# Altium PCB CM5_Adapter.PcbDoc (part 2 of 3) (continued)
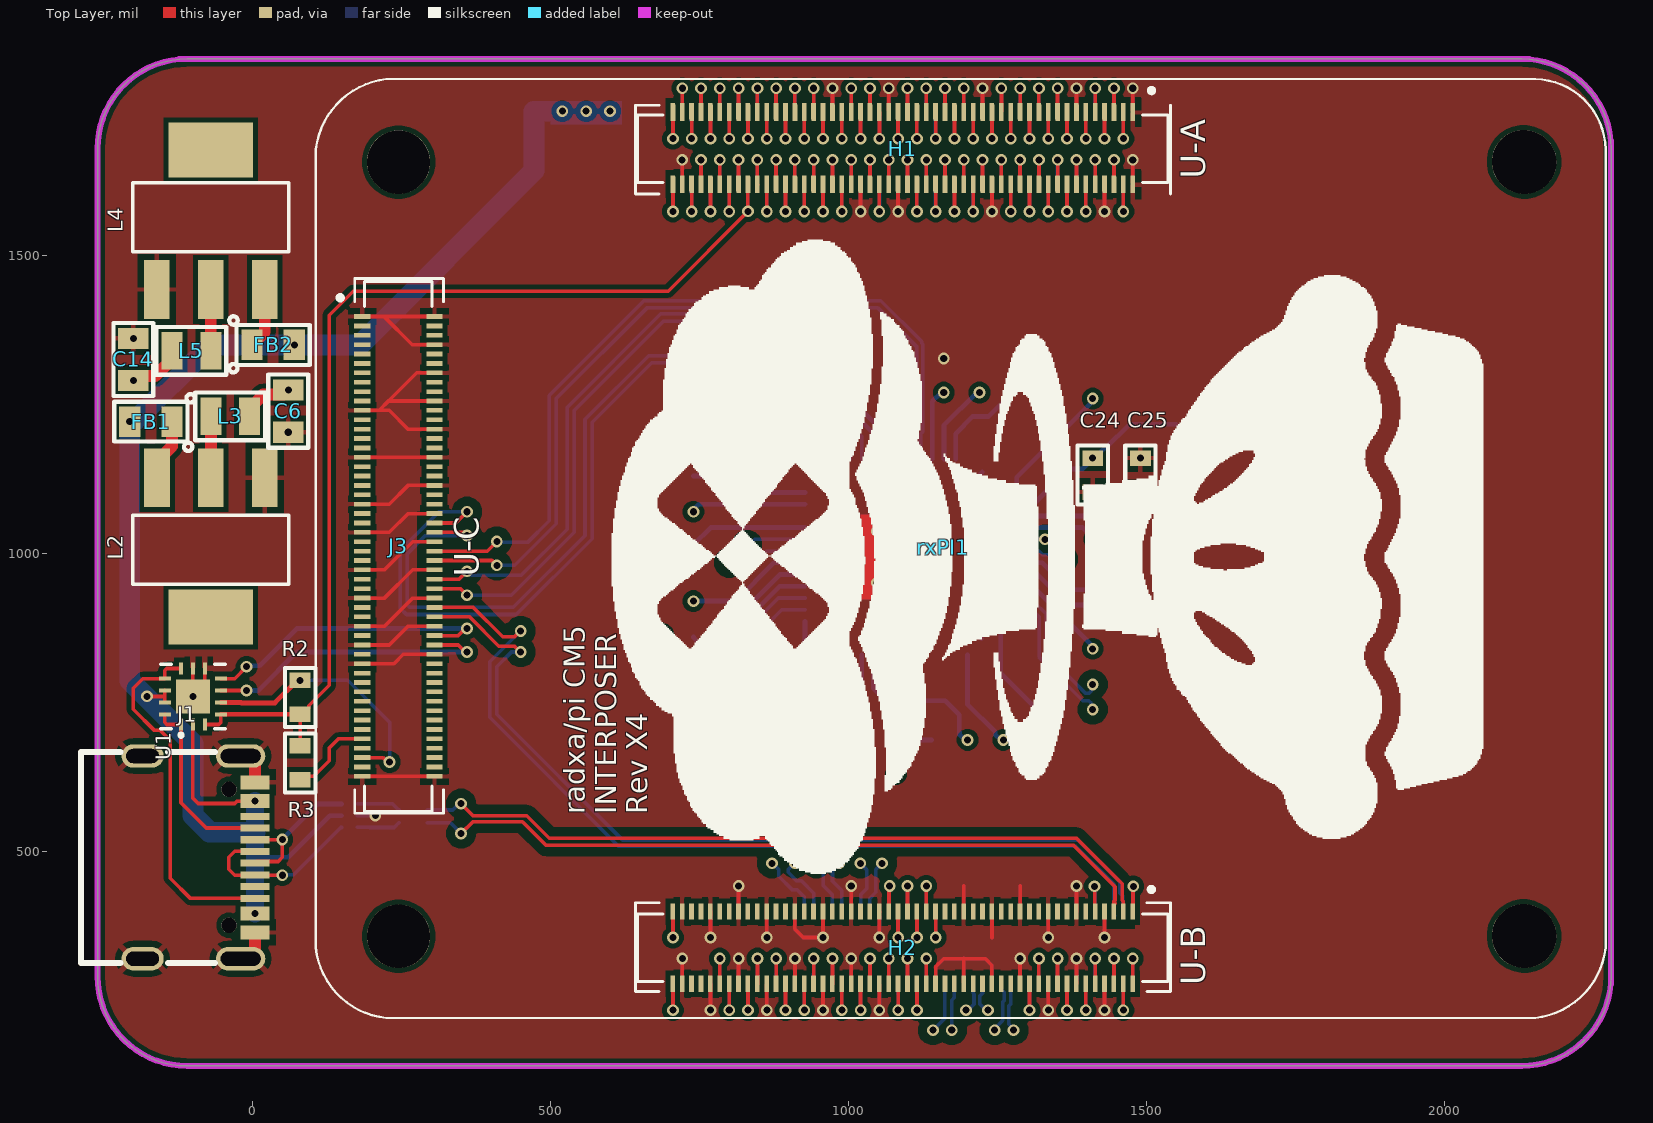
[diagram p0: Top Layer view]
## Nets (pads, with @x,y where several pads share a name; then routed paths per layer and width w, separated by ;. In a path a pad name is that pad's centre, name@x,y a point inside that pad or via, vN(x,y) a via of type N, cw(c..) or ccw(c..) an arc to the next point about the centre after c; other vN are vias at no path point) (continued)
NetH1_37: H1.37 HA.38 rPI1.37 rxPI1.37 | length 86.8
  Top Layer w6.3: rxPI1.37@1193.55,1742.17 1193.65,1742.26 1193.65,1780.62 v1(1193.74,1780.71)
  Bottom Layer w6.3: HA.38@1193.74,1732.53 v1(1193.74,1780.71)
NetH1_38: H1.38 HA.37 rPI1.38 rxPI1.38 | length 79.6
  Top Layer w6.3: rxPI1.38@1193.55,1620.91 1193.65,1621 1193.65,1660.54 v1(1193.74,1660.63)
  Bottom Layer w6.3: rPI1.38@1193.55,1620.91 1193.55,1660.44 v1(1193.74,1660.63)
NetH1_39: H1.39 HA.40 rPI1.39 rxPI1.39 | length 92.4
  Top Layer w6.3: rxPI1.39@1177.81,1742.17 1177.9,1742.07 1177.9,1696.16 v1(1177.99,1696.06)
  Bottom Layer w6.3: rPI1.39@1177.8,1742.17 1177.81,1696.25 v1(1177.99,1696.06)
NetH1_40: H1.40 HA.39 rPI1.40 rxPI1.40 | length 91.5
  Top Layer w6.3: v1(1177.99,1574.02) H1.40@1177.99,1618.55
  Bottom Layer w6.3: rPI1.40@1177.8,1620.91 1177.81,1574.2 v1(1177.99,1574.02)
NetH1_41: H1.41 HA.42 rPI1.41 rxPI1.41 | length 89.1
  Top Layer w6.3: H1.41@1162.24,1739.81 v1(1162.24,1780.71)
  Bottom Layer w6.3: HA.42@1162.24,1732.53 v1(1162.24,1780.71)
NetH1_44: H1.44 HA.43 rPI1.44 rxPI1.44 | length 93.9
  Top Layer w6.3: rxPI1.44@1146.31,1620.91 1146.4,1620.81 1146.4,1574.11 v1(1146.5,1574.02)
  Bottom Layer w6.3: rPI1.44@1146.31,1620.91 1146.31,1574.2 v1(1146.5,1574.02)
NetH1_45: H1.45 HA.46 rPI1.45 rxPI1.45 | length 76.7
  Top Layer w6.3: H1.45@1130.56,1742.35 v1(1130.56,1780.71)
  Bottom Layer w6.3: rPI1.45@1130.37,1742.17 1130.37,1759.1 ; 1130.56,1759.28 v1(1130.56,1780.71)
NetH1_46: H1.46 HA.45 rPI1.46 rxPI1.46 | length 81.9
  Top Layer w6.3: H1.46@1130.75,1618.55 v1(1130.75,1660.63)
  Bottom Layer w6.3: rPI1.46@1130.56,1620.91 1130.56,1660.44 v1(1130.75,1660.63)
NetH1_47: H1.47 HA.48 rPI1.47 rxPI1.47 | length 82.7
  Top Layer w6.3: rxPI1.47@1114.81,1742.17 1114.91,1742.07 1114.91,1696.16 v1(1115,1696.06)
  Bottom Layer w6.3: rPI1.47@1114.81,1732.53 1114.81,1696.25 v1(1115,1696.06)
NetH1_48: H1.48 HA.47 rPI1.48 rxPI1.48 | length 93.9
  Top Layer w6.3: rxPI1.48@1114.81,1620.91 1114.91,1620.81 1114.91,1574.11 v1(1115,1574.02)
  Bottom Layer w6.3: rPI1.48@1114.81,1620.91 1114.81,1574.2 v1(1115,1574.02)
NetH1_49: H1.49 HA.50 rPI1.49 rxPI1.49 | length 76.7
  Top Layer w6.3: H1.49@1099.25,1742.35 v1(1099.25,1780.71)
  Bottom Layer w6.3: rPI1.49@1099.06,1742.17 1099.06,1759.1 ; 1099.25,1759.28 v1(1099.25,1780.71)
NetH1_50: H1.50 HA.49 rPI1.50 rxPI1.50 | length 79.6
  Top Layer w6.3: rxPI1.50@1099.06,1620.91 1099.16,1621 1099.16,1660.54 v1(1099.25,1660.63)
  Bottom Layer w6.3: rPI1.50@1099.06,1620.91 1099.06,1637.84 1099.25,1638.02 v1(1099.25,1660.63)
NetH1_51: H1.51 HA.52 rPI1.51 rxPI1.51 | length 92.4
  Top Layer w6.3: rxPI1.51@1083.32,1742.17 1083.41,1742.07 1083.41,1696.16 v1(1083.5,1696.06)
  Bottom Layer w6.3: rPI1.51@1083.32,1742.17 1083.32,1725.24 1083.5,1725.05 v1(1083.5,1696.06)
NetH1_54: H1.54 HA.53 rPI1.54 rxPI1.54 | length 79.6
  Top Layer w6.3: rxPI1.54@1067.57,1620.91 1067.66,1621 1067.66,1660.54 v1(1067.76,1660.63)
  Bottom Layer w6.3: rPI1.54@1067.57,1620.91 1067.57,1637.84 1067.76,1638.02 v1(1067.76,1660.63)
NetH1_55: H1.55 HA.56 rPI1.55 rxPI1.55 | length 80.2
  Top Layer w6.3: v1(1052.01,1696.06) H1.55@1052.01,1739.81
  Bottom Layer w6.3: v1(1052.01,1696.06) HA.56@1052.01,1732.53
NetH1_56: H1.56 HA.55 rPI1.56 rxPI1.56 | length 93.9
  Top Layer w6.3: rxPI1.56@1051.82,1620.91 1051.91,1620.81 1051.91,1574.11 v1(1052.01,1574.02)
  Bottom Layer w6.3: rPI1.56@1051.82,1620.91 1051.82,1603.98 1052.01,1603.79 v1(1052.01,1574.02)
NetH1_57: H1.57 HA.58 rPI1.57 rxPI1.57 | length 89.1
  Top Layer w6.3: H1.57@1036.26,1739.81 v1(1036.26,1780.71)
  Bottom Layer w6.3: HA.58@1036.26,1732.53 v1(1036.26,1780.71)
NetH1_58: H1.58 HA.57 rPI1.58 rxPI1.58 | length 79.6
  Top Layer w6.3: rxPI1.58@1036.07,1620.91 1036.17,1621 1036.17,1660.54 v1(1036.26,1660.63)
  Bottom Layer w6.3: rPI1.58@1036.07,1620.91 1036.07,1637.84 1036.26,1638.02 v1(1036.26,1660.63)
NetH1_59: H1.59 HA.60 rPI1.59 rxPI1.59 | length 82.6
  Top Layer w6.3: rxPI1.59@1020.32,1742.17 1020.42,1742.07 1020.42,1696.16 v1(1020.51,1696.06)
  Bottom Layer w6.3: v1(1020.51,1696.06) HA.60@1020.51,1732.53
NetH1_61: H1.61 HA.62 rPI1.61 rxPI1.61 | length 89.1
  Top Layer w6.3: H1.61@1004.76,1739.81 v1(1004.76,1780.71)
  Bottom Layer w6.3: HA.62@1004.76,1732.53 v1(1004.76,1780.71)
NetH1_62: H1.62 HA.61 rPI1.62 rxPI1.62 | length 81.9
  Top Layer w6.3: H1.62@1004.76,1618.55 v1(1004.76,1660.63)
  Bottom Layer w6.3: rPI1.62@1004.58,1620.91 1004.58,1637.84 1004.76,1638.02 v1(1004.76,1660.63)
NetH1_63: H1.63 HA.64 rPI1.63 rxPI1.63 | length 82.6
  Top Layer w6.3: rxPI1.63@988.83,1742.17 988.92,1742.07 988.92,1696.16 v1(989.02,1696.06)
  Bottom Layer w6.3: v1(989.02,1696.06) HA.64@989.02,1732.53
NetH1_64: H1.64 HA.63 rPI1.64 rxPI1.64 | length 91.5
  Top Layer w6.3: v1(989.02,1574.02) H1.64@989.02,1618.55
  Bottom Layer w6.3: rPI1.64@988.83,1620.91 988.83,1603.98 989.02,1603.79 v1(989.02,1574.02)
NetH1_67: H1.67 HA.68 rPI1.67 rxPI1.67 | length 82.6
  Top Layer w6.3: rxPI1.67@957.33,1742.17 957.43,1742.07 957.43,1696.16 v1(957.52,1696.06)
  Bottom Layer w6.3: v1(957.52,1696.06) HA.68@957.52,1732.53
NetH1_68: H1.68 HA.67 rPI1.68 rxPI1.68 | length 98.8
  Top Layer w6.3: rxPI1.68@957.33,1620.91 957.43,1620.81 957.43,1574.11 v1(957.52,1574.02)
  Bottom Layer w6.3: v1(957.52,1574.02) HA.67@957.52,1625.84
NetH1_69: H1.69 HA.70 rPI1.69 rxPI1.69 | length 89.1
  Top Layer w6.3: H1.69@941.77,1739.81 v1(941.77,1780.71)
  Bottom Layer w6.3: HA.70@941.77,1732.53 v1(941.77,1780.71)
NetH1_70: H1.70 HA.69 rPI1.70 rxPI1.70 | length 76.9
  Top Layer w6.3: H1.70@941.77,1618.55 v1(941.77,1660.63)
  Bottom Layer w6.3: HA.69@941.77,1625.84 v1(941.77,1660.63)
NetH1_72: H1.72 HA.71 rPI1.72 rxPI1.72 | length 91.5
  Top Layer w6.3: v1(926.02,1574.02) H1.72@926.02,1618.55
  Bottom Layer w6.3: rPI1.72@925.84,1620.91 925.84,1603.98 926.02,1603.79 v1(926.02,1574.02)
NetH1_73: H1.73 HA.74 rPI1.73 rxPI1.73 | length 77.2
  Top Layer w6.3: rxPI1.73@910.09,1742.17 910.18,1742.26 910.18,1780.62 v1(910.28,1780.71)
  Bottom Layer w6.3: rPI1.73@910.09,1742.17 910.09,1759.1 910.28,1759.28 v1(910.28,1780.71)
NetH1_75: H1.75 HA.76 rPI1.75 rxPI1.75 | length 92.4
  Top Layer w6.3: rxPI1.75@894.34,1742.17 894.43,1742.07 894.43,1696.16 v1(894.53,1696.06)
  Bottom Layer w6.3: rPI1.75@894.34,1742.17 894.34,1725.24 894.53,1725.05 v1(894.53,1696.06)
NetH1_76: H1.76 HA.75 rPI1.76 rxPI1.76 | length 98.8
  Top Layer w6.3: rxPI1.76@894.34,1620.91 894.43,1620.81 894.43,1574.11 v1(894.53,1574.02)
  Bottom Layer w6.3: v1(894.53,1574.02) HA.75@894.53,1625.84
NetH1_78: H1.78 HA.77 rPI1.78 rxPI1.78 | length 79.6
  Top Layer w6.3: rxPI1.78@878.59,1620.91 878.69,1621 878.69,1660.54 v1(878.78,1660.63)
  Bottom Layer w6.3: rPI1.78@878.59,1620.91 878.59,1637.84 878.78,1638.02 v1(878.78,1660.63)
NetH1_80: H1.80 HA.79 rPI1.80 rxPI1.80 | length 96.4
  Top Layer w6.3: v1(863.03,1574.02) H1.80@863.03,1618.55
  Bottom Layer w6.3: v1(863.03,1574.02) HA.79@863.03,1625.84
NetH1_82: H1.82 HA.81 rPI1.82 rxPI1.82 | length 81.9
  Top Layer w6.3: v1(847.1,1660.63) 847.19,1660.54 847.19,1618.65 H1.82@847.28,1618.55
  Bottom Layer w6.3: rPI1.82@847.1,1620.91 v1(847.1,1660.63)
NetH1_86: H1.86 HA.85 rPI1.86 rxPI1.86 | length 79.4
  Top Layer w6.3: rxPI1.86@815.6,1620.91 v1(815.6,1660.63)
  Bottom Layer w6.3: rPI1.86@815.6,1620.91 v1(815.6,1660.63)
NetH1_88: H1.88 HA.87 rPI1.88 rxPI1.88 | length 91.5
  Top Layer w6.3: v1(800.04,1574.02) H1.88@800.04,1618.55
  Bottom Layer w6.3: rPI1.88@799.85,1620.91 799.85,1603.98 800.04,1603.79 v1(800.04,1574.02)
NetH1_89: H1.89 HA.90 rPI1.89 rxPI1.89 | length 77.2
  Top Layer w6.3: rxPI1.89@784.1,1742.17 784.2,1742.26 784.2,1780.62 v1(784.29,1780.71)
  Bottom Layer w6.3: rPI1.89@784.1,1742.17 784.1,1759.1 784.29,1759.28 v1(784.29,1780.71)
NetH1_90: H1.90 HA.89 rPI1.90 rxPI1.90 | length 79.6
  Top Layer w6.3: rxPI1.90@784.1,1620.91 784.2,1621 784.2,1660.54 v1(784.29,1660.63)
  Bottom Layer w6.3: rPI1.90@784.1,1620.91 784.1,1637.84 784.29,1638.02 v1(784.29,1660.63)
NetH1_91: H1.91 HA.92 rPI1.91 rxPI1.91 | length 89.9
  Top Layer w6.3: v1(768.54,1696.06) H1.91@768.54,1739.81
  Bottom Layer w6.3: rPI1.91@768.36,1742.17 768.36,1725.24 768.54,1725.05 v1(768.54,1696.06)
NetH1_92: H1.92 HA.91 rPI1.92 rxPI1.92 | length 93.9
  Top Layer w6.3: rxPI1.92@768.36,1620.91 768.45,1620.81 768.45,1574.11 v1(768.54,1574.02)
  Bottom Layer w6.3: rPI1.92@768.36,1620.91 768.36,1603.98 768.54,1603.79 v1(768.54,1574.02)
NetH1_93: H1.93 HA.94 rPI1.93 rxPI1.93 | length 77.2
  Top Layer w6.3: rxPI1.93@752.61,1742.17 752.7,1742.26 752.7,1780.62 v1(752.8,1780.71)
  Bottom Layer w6.3: rPI1.93@752.61,1742.17 752.61,1759.1 752.8,1759.28 v1(752.8,1780.71)
NetH1_94: H1.94 HA.93 rPI1.94 rxPI1.94 | length 79.4
  Top Layer w6.3: rxPI1.94@752.61,1620.91 v1(752.61,1660.63)
  Bottom Layer w6.3: rPI1.94@752.61,1620.91 v1(752.61,1660.63)
NetH1_95: H1.95 HA.96 rPI1.95 rxPI1.95 | length 92.4
  Top Layer w6.3: rxPI1.95@736.86,1742.17 736.95,1742.07 736.95,1696.16 v1(737.05,1696.06)
  Bottom Layer w6.3: rPI1.95@736.86,1742.17 736.86,1725.24 737.05,1725.05 v1(737.05,1696.06)
NetH1_96: H1.96 HA.95 rPI1.96 rxPI1.96 | length 93.9
  Top Layer w6.3: rxPI1.96@736.86,1620.91 736.95,1620.81 736.95,1574.11 v1(737.05,1574.02)
  Bottom Layer w6.3: rPI1.96@736.86,1620.91 736.86,1603.98 737.05,1603.79 v1(737.05,1574.02)
NetH1_97: H1.97 HA.98 rPI1.97 rxPI1.97 | length 76.7
  Top Layer w6.3: H1.97@721.3,1742.35 v1(721.3,1780.71)
  Bottom Layer w6.3: rPI1.97@721.11,1742.17 721.11,1759.1 ; 721.3,1759.28 v1(721.3,1780.71)
NetH1_99: H1.99 HA.100 rPI1.99 rxPI1.99 | length 92.4
  Top Layer w6.3: rxPI1.99@705.36,1742.17 705.46,1742.07 705.46,1696.16 v1(705.55,1696.06)
  Bottom Layer w6.3: rPI1.99@705.36,1742.17 705.36,1725.24 705.55,1725.05 v1(705.55,1696.06)
NetH1_100: H1.100 HA.99 rPI1.100 rxPI1.100 | length 93.9
  Top Layer w6.3: rxPI1.100@705.36,1620.91 705.46,1620.81 705.46,1574.11 v1(705.55,1574.02)
  Bottom Layer w6.3: rPI1.100@705.36,1620.91 705.36,1603.98 705.55,1603.79 v1(705.55,1574.02)
NetH2_11: H2.11 rxPI1.111
NetH2_15: H2.15 rxPI1.115
NetH2_17: H2.17 rxPI1.117
NetH2_21: H2.21 rxPI1.121
NetH2_23: H2.23 rxPI1.123
NetH2_27: H2.27 rxPI1.127
NetH2_28: H2.28 rxPI1.128
NetH2_29: H2.29 rxPI1.129
NetH2_30: H2.30 rxPI1.130
NetH2_33: H2.33 rxPI1.133
NetH2_34: H2.34 rxPI1.134
NetH2_35: H2.35 rxPI1.135
NetH2_36: H2.36 rxPI1.136
NetH2_39: H2.39 rxPI1.139
NetH2_40: H2.40 rxPI1.140
NetH2_41: H2.41 rxPI1.141
NetH2_42: H2.42 rxPI1.142
NetH2_57: H2.57 rxPI1.157
NetH2_59: H2.59 rxPI1.159
NetH2_63: H2.63 rxPI1.163
NetH2_65: H2.65 rxPI1.165
NetH2_69: H2.69 rxPI1.169
NetH2_71: H2.71 rxPI1.171
NetH2_75: H2.75 rxPI1.175
NetH2_77: H2.77 rxPI1.177
NetH2_81: H2.81 rxPI1.181
NetH2_83: H2.83 rxPI1.183
NetH2_87: H2.87 rxPI1.187
NetH2_89: H2.89 rxPI1.189
NetH2_93: H2.93 rxPI1.193
NetH2_94: H2.94 rxPI1.194
NetH2_95: H2.95 rxPI1.195
NetH2_96: H2.96 rxPI1.196
NetHB_12: HB.12 rPI1.111
NetHB_16: HB.16 rPI1.115
NetHB_18: HB.18 rPI1.117
NetHB_22: HB.22 rPI1.121
NetHB_24: HB.24 rPI1.123
NetHB_28: HB.28 rPI1.127
NetHB_30: HB.30 rPI1.129
NetHB_34: HB.34 rPI1.133
NetHB_36: HB.36 rPI1.135
NetHB_40: HB.40 rPI1.139
NetHB_42: HB.42 rPI1.141
NetHB_76: HB.76 rPI1.175
NetHB_78: HB.78 rPI1.177
NetHB_82: HB.82 rPI1.181
NetHB_84: HB.84 rPI1.183
NetHB_88: HB.88 rPI1.187
NetHB_90: HB.90 rPI1.189
NetHB_93: HB.93 rPI1.194
NetHB_94: HB.94 rPI1.193
NetHB_95: HB.95 rPI1.196
NetHB_96: HB.96 rPI1.195
NetJ3_3: J3.3 rxPI1.204
NetJ3_4: J3.4 rxPI1.203
NetJ3_5: J3.5 rxPI1.206
NetJ3_6: J3.6 rxPI1.205
NetJ3_7: J3.7 rxPI1.208
NetJ3_9: J3.9 rxPI1.210
NetJ3_10: J3.10 rxPI1.209
NetJ3_11: J3.11 rxPI1.212
NetJ3_12: J3.12 rxPI1.211
NetJ3_13: J3.13 rxPI1.214
NetJ3_15: J3.15 rxPI1.216
NetJ3_16: J3.16 rxPI1.215
NetJ3_17: J3.17 rxPI1.218
NetJ3_18: J3.18 rxPI1.217
NetJ3_19: J3.19 rxPI1.220
NetJ3_22: J3.22 rxPI1.221
NetJ3_23: J3.23 rxPI1.224
NetJ3_24: J3.24 rxPI1.223
NetJ3_25: J3.25 rxPI1.226
NetJ3_27: J3.27 rxPI1.228
NetJ3_28: J3.28 rxPI1.227
NetJ3_29: J3.29 rxPI1.230
NetJ3_30: J3.30 rxPI1.229
NetJ3_33: J3.33 rxPI1.234
NetJ3_34: J3.34 rxPI1.233
NetJ3_35: J3.35 rxPI1.236
NetJ3_36: J3.36 rxPI1.235
NetJ3_37: J3.37 rxPI1.238
NetJ3_39: J3.39 rxPI1.240
NetJ3_40: J3.40 rxPI1.239
NetJ3_42: J3.42 rxPI1.241
NetJ3_43: J3.43 rxPI1.244
NetJ3_45: J3.45 rxPI1.246
NetJ3_49: J3.49 rxPI1.250
NetJ3_51: J3.51 rxPI1.252
NetJ3_53: J3.53 rxPI1.254
NetJ3_57: J3.57 rxPI1.258
NetJ3_59: J3.59 rxPI1.260
NetJ3_63: J3.63 rxPI1.264
NetJ3_65: J3.65 rxPI1.266
NetJ3_69: J3.69 rxPI1.270
NetJ3_73: J3.73 rxPI1.274
NetJ3_76: J3.76 rxPI1.275
NetJ3_77: J3.77 rxPI1.278
NetJ3_78: J3.78 rxPI1.277
NetJ3_79: J3.79 rxPI1.280
NetJ3_80: J3.80 rxPI1.279
NetJ3_81: J3.81 rxPI1.282
NetJ3_82: J3.82 rxPI1.281
NetJ3_83: J3.83 rxPI1.284
NetJ3_84: J3.84 rxPI1.283
NetJ3_85: J3.85 rxPI1.286
NetJ3_86: J3.86 rxPI1.285
NetJ3_87: J3.87 rxPI1.288
NetJ3_88: J3.88 rxPI1.287
NetJ3_89: J3.89 rxPI1.290
NetJ3_90: J3.90 rxPI1.289
NetJ3_91: J3.91 R3.2 rxPI1.292 | length 145.4
  Top Layer w6: R3.2@80,620 85.99,625.99 102.99,625.99 128.87,651.87 128.87,673.49 144.33,688.95 J3.91@184.13,688.95
NetJ3_92: J3.92 rxPI1.291
NetJ3_93: J3.93 rxPI1.294
NetJ3_94: J3.94 rxPI1.293
NetJ3_96: J3.96 rxPI1.295
NetJ3_97: J3.97 rxPI1.298
NetJ3_98: J3.98 rxPI1.297
NetL2_2: L2.2 L3.1 | length 103.1
  Top Layer w20: L2.2@-69.95,1126.92 L3.1@-69.95,1230
NetL4_2: L4.2 L5.1 | length 103.1
  Top Layer w6: L5.1@-70.05,1340.1 L5.1@-69.95,1340
  Top Layer w20: L5.1@-70.05,1340.1 L4.2@-70.05,1443.08
NetR1_2: R1.2 U2.24 | length 198.7
  Bottom Layer w8: R1.2@740,1130 787.44,1130 815,1102.44 U2.24@927.24,1102.44
NetR4_2: R4.2 R5.2 U2.9 | length 218.7
  Bottom Layer w8: U2.9@1042.2,830 1042.2,773.15 1080,735.35 R5.2@1080,687 R4.2@1140,687
NetR6_2: R6.2 U2.21 | length 203.7
  Bottom Layer w8: R6.2@740,1010 740,1014.5 768.89,1043.39 U2.21@927.24,1043.39
NetR7_2: R7.2 U2.35 | length 171.3
  Bottom Layer w8: U2.35@1180,1158.35 1180,1201.04 1208.96,1230 1235.5,1230 1275.5,1270 R7.2@1280,1270
NetR8_2: R8.2 U2.10 | length 144
  Bottom Layer w8: R8.2@1020,687 1020,749.24 1022.52,751.76 U2.10@1022.52,830
PCIe_CLK_N: H2.12 HB.11 rPI1.112 rxPI1.112 | length 88.9
  Top Layer w6.3: H2.12@1398.28,277.83 1398.37,277.74 1398.37,233.56 v1(1398.46,233.46)
  Bottom Layer w6.3: rPI1.112@1398.28,277.83 1398.28,233.65 v1(1398.46,233.46)
PCIe_CLK_nREQ: H2.2 HB.1 rPI1.102 rxPI1.102 | length 84.6
  Top Layer w6.3: H2.2@1477.02,277.83 1477.11,277.93 1477.11,319.99 v1(1477.2,320.08)
  Bottom Layer w6.3: rPI1.102@1477.02,277.83 1477.02,319.89 v1(1477.2,320.08)
PCIe_CLK_P: H2.10 HB.9 rPI1.110 rxPI1.110 | length 84.6
  Top Layer w6.3: H2.10@1414.03,277.83 1414.12,277.93 1414.12,319.99 v1(1414.21,320.08)
  Bottom Layer w6.3: rPI1.110@1414.03,277.83 1414.03,319.89 v1(1414.21,320.08)
PCIe_nRST: H2.9 HB.10 rPI1.109 rxPI1.109 | length 85.2
  Top Layer w6.3: v1(1413.16,441.34) 1413.59,440.91 1413.59,399.71 H2.9@1414.12,399.19
  Bottom Layer w6.3: v1(1413.16,441.34) 1413.69,440.82 1413.69,399.43 rPI1.109@1414.03,399.09
PCIe_RX_N: H2.18 HB.17 rPI1.118 rxPI1.118 | length 84.6
  Top Layer w6.3: H2.18@1351.03,277.83 1351.13,277.93 1351.13,319.99 v1(1351.22,320.08)
  Bottom Layer w6.3: rPI1.118@1351.03,277.83 1351.03,319.89 v1(1351.22,320.08)
PCIe_RX_P: H2.16 HB.15 rPI1.116 rxPI1.116 | length 88.9
  Top Layer w6.3: H2.16@1366.78,277.83 1366.88,277.74 1366.88,233.56 v1(1366.97,233.46)
  Bottom Layer w6.3: rPI1.116@1366.78,277.83 1366.78,233.65 v1(1366.97,233.46)
PCIe_TX_N: H2.24 HB.23 rPI1.124 rxPI1.124 | length 88.9
  Top Layer w6.3: H2.24@1303.79,277.83 1303.88,277.74 1303.88,233.56 v1(1303.98,233.46)
  Bottom Layer w6.3: rPI1.124@1303.79,277.83 1303.79,233.65 v1(1303.98,233.46)
PCIe_TX_P: H2.22 HB.21 rPI1.122 rxPI1.122 | length 84.6
  Top Layer w6.3: H2.22@1319.54,277.83 1319.63,277.93 1319.63,319.99 v1(1319.72,320.08)
  Bottom Layer w6.3: rPI1.122@1319.54,277.83 1319.54,319.89 v1(1319.72,320.08)
PRG_CC1: J1.A5 U1.1 U1.14 | length 315.4
  Top Layer w6: U1.14@-147,730 -147,716.51 -143.49,713 U1.1@-120,713 -120,581.62 -77.59,539.21 J1.A5@4.49,539.21
PRG_CC2: J1.B5 U1.10 U1.11 | length 608.7
  Top Layer w6: U1.10@-120,807 -143.49,807 -147,803.49 U1.11@-147,790 -184.16,790 -200.24,773.92 -200.24,738.75 -164.49,703 -154.82,703 -138.06,686.23 -138.06,455.06 -104.09,421.1 J1.B5@4.49,421.1
RD_CC1: HB.98 rPI1.197
Res104: H2.4 HB.3 rPI1.104 rxPI1.104 | length 88.9
  Top Layer w6.3: H2.4@1461.27,277.83 1461.36,277.74 1461.36,233.56 v1(1461.46,233.46)
  Bottom Layer w6.3: rPI1.104@1461.27,277.83 1461.27,233.65 v1(1461.46,233.46)
Res106: H2.6 HB.5 rPI1.106 rxPI1.106 | length 84.6
  Top Layer w6.3: H2.6@1445.52,277.83 1445.62,277.93 1445.62,319.99 v1(1445.71,320.08)
  Bottom Layer w6.3: rPI1.106@1445.52,277.83 1445.52,319.89 v1(1445.71,320.08)
USB3HOST_D_N: J3.48 rxPI1.247 U2.27 | length 1403.8
  Top Layer w6: J3.48@305.39,1035.4 354.6,1035.4 v1(360,1030)
  Bottom Layer w6: v1(360,1030) 290,1030 260,1000 260,913.12 263.51,909.61 437.79,909.61 558,1029.82 558,1224.97 665.03,1332 834.97,1332 838.49,1328.49 870.49,1296.49 931.67,1235.3 983.99,1235.3 1022.52,1196.77 U2.27@1022.52,1158.35
USB3HOST_D_P: J3.46 rxPI1.245 U2.26 | length 1437.7
  Top Layer w6: J3.46@305.39,1051.15 341.15,1051.15 v1(360,1070)
  Bottom Layer w6: v1(360,1070) 313.03,1070 248,1004.97 248,908.15 258.54,897.61 442.76,897.61 570,1024.85 570,1220 670,1320 830,1320 926.7,1223.3 979.01,1223.3 1002.83,1199.48 U2.26@1002.83,1158.35
USB3HOST_RX_N: C19.1 J3.60 rxPI1.259 | length 1067.3
  Top Layer w6: J3.60@305.39,940.92 349.08,940.92 v1(360,930)
  Bottom Layer w6: v1(360,930) 434.47,930 536.49,1032.01 540,1035.53 540,1240 690,1390 985.49,1390 989,1386.49 989,1346 C19.1@970,1327
USB3HOST_RX_P: C18.1 J3.58 rxPI1.257 | length 1082.2
  Top Layer w6: J3.58@305.39,956.66 346.66,956.66 v1(360,970)
  Bottom Layer w6: v1(360,970) 366.84,963.16 420.74,963.16 450.66,963.16 528,1040.5 528,1244.97 685.03,1402 990.46,1402 1001,1391.46 1001,1346 C18.1@1020,1327
USB3HOST_TX_N: J3.54 rxPI1.253 U2.31 | length 1336
  Top Layer w6: J3.54@305.39,988.16 401.84,988.16 v1(410,980)
  Bottom Layer w6: v1(410,980) 440,980 506.49,1046.49 510,1050 510,1260 662,1412 1049.57,1412 1115.04,1346.54 1115.04,1214.41 1101.26,1200.63 1101.26,1198.6 U2.31@1101.26,1158.35
USB3HOST_TX_P: J3.52 rxPI1.251 U2.32 | length 1344
  Top Layer w6: J3.52@305.39,1003.91 393.91,1003.91 v1(410,1020)
  Bottom Layer w6: v1(410,1020) 411.51,1018.49 461.51,1018.49 498,1054.97 498,1264.97 657.03,1424 1054.55,1424 1122.94,1355.6 1122.94,1352.77 1125.04,1350.68 1125.04,1203.96 1120.94,1199.87 1120.94,1190.28 U2.32@1120.94,1158.35
USB20_N: HB.4 J3.66 rPI1.103 rxPI1.265 | length 1514.4
  Top Layer w6: J3.66@305.39,893.67 364.13,893.67 413.35,844.46 439.64,844.46 449.49,834.62 v1(450,834.62)
  Bottom Layer w6: v1(450,834.62) 434.62,834.62 410,810 410,730 621,519 1385.21,519 1386.21,518 1455.71,448.5 1455.71,430 1460.33,425.38 1460.33,400.03 rPI1.103@1461.27,399.09 ; HB.4@1460.65,391.68 HB.4@1461.46,390.88
USB20_P: HB.6 J3.64 rPI1.105 rxPI1.263 | length 1554.2
  Top Layer w6: J3.64@305.39,909.42 370.66,909.42 419.87,860.21 439.64,860.21 449.49,870.05 v1(450,870.05)
  Bottom Layer w6: v1(450,870.05) 398,818.05 398,725.03 614.03,509 1381.07,509 1382.07,508 1445.71,444.36 HB.6@1445.71,390.88 rPI1.105@1446.51,391.68
USB30_D_N: HB.35 rPI1.136 U2.42 | length 1231.8
  Sig1 w8: v1(1197.49,233.46) 1208.79,244.77 1208.79,338.59 1550,679.8 1550,950 1521.76,978.24 1394.79,978.24 1382.79,990.24 v1(1360,990.24)
  Bottom Layer w6: v1(1197.49,233.46) 1200.93,233.46 1210.79,243.32 1210.79,260.47 1209.3,261.97 rPI1.136@1209.3,277.83 ; U2.42@1255.59,1004.02 1319.22,1004.02 1325.13,998.11 1349.64,998.11 1357.52,990.24 v1(1360,990.24)
USB30_D_P: HB.33 rPI1.134 U2.41 | length 1258.5
  Sig1 w8: v1(1234.1,233.46) 1222.79,244.77 1222.79,332.79 1564,674 1564,955.8 1529.66,990.14 1526.83,990.14 1526.73,990.24 1399.76,990.24 1366.3,1023.7 v1(1330,1023.7)
  Bottom Layer w6: rPI1.134@1225.05,277.83 1225.05,261.97 1220.79,257.71 1220.79,243.32 1230.65,233.46 v1(1234.1,233.46) ; U2.41@1255.59,1023.7 v1(1330,1023.7)
USB30_RX_N: HB.27 rPI1.128 U2.47 | length 976.1
  Sig2 w8: v1(1277.01,200) 1268.26,208.75 1268.26,265.8 1248.1,285.96 1248.1,465.38 1400,617.28 1400,727.59 1410,737.59 v1(1410,738.12)
  Bottom Layer w6: U2.47@1255.59,905.59 1257.81,903.37 1299.07,903.37 1302.02,906.32 1306.99,906.32 1320,893.31 1320,826.38 1393.32,753.06 1403.26,753.06 1407.38,748.94 1407.38,740.74 v1(1410,738.12) ; HB.27@1272.48,284.18 1272.48,243.85 1269.23,240.6 1269.23,210.36 1277.01,202.58 v1(1277.01,200)
USB30_RX_P: HB.29 rPI1.130 U2.46 | length 1022.4
  Sig2 w8: v1(1245.51,200) 1254.26,208.75 1254.26,260 1234.1,280.16 1234.1,471.18 1380,617.08 1380,750 v1(1410,780)
  Bottom Layer w6: v1(1245.51,200) 1245.51,202.58 1259.23,216.29 1259.23,247.57 1261.36,249.7 1261.36,263.54 1257.84,267.05 1257.48,267.05 1256.54,267.99 rPI1.130@1256.54,277.83 ; U2.46@1255.59,925.28 1302.72,925.28 1309.67,918.32 1311.96,918.32 1332,898.28 1332,831.35 1398.29,765.06 1403.26,765.06 1407.38,769.18 1407.38,777.38 v1(1410,780)
USB30_TX_N: C21.1 HB.39 rPI1.140 | length 909.7
  Sig1 w8: v1(1173.46,200) 1164.72,208.75 1164.72,244.77 1196.79,276.85 1196.79,349.91 1464,617.12 1464,894 v1(1470,900)
  Bottom Layer w6: v1(1173.46,200) 1173.46,250.45 1177.8,254.79 rPI1.140@1177.8,277.83
USB30_TX_P: C20.1 HB.41 rPI1.142 | length 972
  Sig1 w8: v1(1141.97,200) 1150.72,208.75 1150.72,250.57 1182.79,282.65 1182.79,355.71 1450,622.91 1450,930 v1(1470,950)
  Bottom Layer w6: v1(1141.97,200) 1162.06,220.09 rPI1.142@1162.06,277.83
USB31_D_N: HB.66 rPI1.165 U2.15 | length 726.3
  Sig2 w8: v1(819.78,832.72) 822.94,832.72 828,827.66 829.61,827.66 834.3,822.97 834.3,816.34 827.83,809.87 802.37,809.87 786,793.5 786,666.35 919.1,533.25 919.7,533.25 955.8,497.16 955.8,490.53 946.3,481.03 v1(946.3,480)
  Bottom Layer w6: v1(819.78,832.72) 822.4,835.34 822.4,842.98 822.5,843.07 822.5,865.27 882.5,925.28 U2.15@927.24,925.28 ; v1(946.3,480) 957.52,468.78 957.52,443.28 973.08,427.72 rPI1.165@973.08,399.09
USB31_D_P: HB.64 rPI1.163 U2.14 | length 688.4
  Sig2 w8: v1(862.82,830) 859.65,830 854.59,824.94 852.99,824.94 848.3,820.25 848.3,810.54 833.63,795.87 808.17,795.87 800,787.7 800,672.15 924.9,547.25 925.5,547.25 969.8,502.96 969.8,493.13 982.92,480 v1(984.49,480)
  Bottom Layer w6: v1(862.82,830) 862.82,880 888.41,905.59 U2.14@927.24,905.59 ; v1(984.49,480) 973.27,468.78 973.27,449.8 988.83,434.24 rPI1.163@988.83,399.09
USB31_RX_N: HB.58 rPI1.157 U2.20 | length 818.8
  Sig2 w8: v1(830,1014.5) 830.09,1014.41 830.09,999.7 832.26,997.54 969.8,860 969.8,601.27 1045.27,525.8 1045.27,491.27 v1(1056.54,480)
  Bottom Layer w6: v1(830,1014.5) 833.7,1014.5 842.9,1023.7 U2.20@927.24,1023.7 ; rPI1.157@1036.07,399.09 1036.12,399.14 1036.12,407.51 1036.12,421.34 1045.95,431.18 1045.95,437.36 1046.05,437.45 1046.05,469.51 v1(1056.54,480)
USB31_RX_P: HB.60 rPI1.159 U2.19 | length 844.7
  Sig2 w8: v1(800,984.33) 825.67,984.33 955.8,854.2 955.8,595.47 1031.27,520 1031.27,491.27 v1(1020,480)
  Bottom Layer w6: v1(800,984.33) 843.13,984.33 862.82,1004.02 U2.19@927.24,1004.02 ; v1(1020,480) 1030.49,469.51 1030.49,437.59 1020.65,427.75 1020.65,413.91 1020.65,399.42 rPI1.159@1020.32,399.09
USB31_TX_N: C23.1 HB.70 rPI1.169 | length 592.5
  Sig2 w8: v1(683,860) 684,860 720,824 721.11,824 734,811.11 734,662.07 895.15,500.93 895.15,495.13 v1(910.28,480)
  Bottom Layer w6: v1(910.28,480) 909.11,480 898.85,469.75 898.85,464.77 912.58,451.05 920.73,451.05 941.77,430 HB.70@941.77,390.88
USB31_TX_P: C22.1 HB.72 rPI1.171 | length 550.3
  Sig2 w8: v1(683,810) 715.31,810 720,805.31 720,656.28 879.12,497.16 879.12,490.53 871.68,483.09 v1(871.68,480)
  Bottom Layer w6: v1(871.68,480) 872.85,480 883.11,469.75 883.11,458.25 906.06,435.3 914.2,435.3 926.02,423.48 HB.72@926.02,390.88
USB_OTG_D_N: H2.3 L1.1 rxPI1.103 | length 1274.4
  Top Layer w6: v1(350,580) 370,560 460,560 498,522 1382.93,522 1389.96,514.97 1452.37,452.57 1459.4,445.54 1459.4,417.75 1461.27,415.87 H2.3@1461.27,399.09 H2.3@1460.33,400.03
  Bottom Layer w6: L1.1@293.62,569.53 335.82,569.53 346.3,580 v1(350,580)
USB_OTG_D_P: H2.5 L1.2 rxPI1.105 | length 1259.7
  Top Layer w6: v1(350,530) 370,550 453.03,550 493.03,510 1377.96,510 1447.4,440.57 1447.4,417.75 1445.52,415.87 1445.52,411.75 rxPI1.105@1445.52,399.09 rxPI1.105@1446.46,400.03 ; rxPI1.105@1446.46,411.75 rxPI1.105@1447.4,412.68
  Bottom Layer w6: L1.2@293.62,547.87 332.13,547.87 v1(350,530)
USB_OTG_ID: H2.1 HB.2 rPI1.101 rxPI1.101 | length 93.5
  Top Layer w6: H2.1@1477.02,399.09 1477.56,399.64 1477.56,440.8 v1(1478.11,441.34)
  Bottom Layer w6: HB.2@1477.2,390.88 1477.56,391.24 1477.56,440.8 v1(1478.11,441.34)
USBP_D_N: D1.6 J1.A7 J1.B7 | length 250.6
  Top Layer w6: J1.A7@4.49,480.16 7.4,483.07 43.07,483.07 50,490 v1(50,520) 49.77,519.76 4.73,519.76 J1.B7@4.49,519.53
  Bottom Layer w6: D1.6@148.39,579.68 D1.6@149.48,579.68
  Bottom Layer w8: v1(50,520) 109.69,579.68 D1.6@149.48,579.68
USBP_D_P: D1.4 J1.A6 J1.B6 | length 295.8
  Top Layer w6: J1.A6@4.49,499.84 4.33,500 -30,500 -40,490 -40,470 -30,460 4.49,460 4.72,460.24 49.77,460.24 v1(50,460)
  Bottom Layer w6: v1(50,460) 50.76,460.76 68.84,460.76 148.24,540.16 149.32,540.16 D1.4@149.48,540.32
VCC_3V3_S3: H1.84 HA.83 R2.2 R3.1 rPI1.84 rxPI1.84 U1.3 U1.4 | length 1786.9
  Top Layer w6: U1.3@-80,713 -56.51,713 -53,716.51 U1.4@-53,730 ; R3.1@80.09,677.09 80,677.19 R2.2@80,730 84.5,730 94.5,740 94.5,744.5 128.87,778.87 128.87,1399.85 169.01,1440 697.43,1440 v1(831.54,1574.11) 831.44,1574.2 831.44,1618.46 H1.84@831.54,1618.55
  Top Layer w8: U1.4@-53,730 R2.2@80,730
  Bottom Layer w6: rPI1.84@831.35,1620.91 831.44,1620.81 831.44,1574.2 v1(831.54,1574.11)
pads on no net: HA.S1 HA.S2 HA.S3 HA.S4 HB.S1 HB.S2 HB.S3 HB.S4 J1. J1.A8 J1.B8 L2.NC L4.NC rPI1.Un1 rPI1.Un2 rPI1.Un3 rPI1.Un4 rxPI1. rxPI1.Un2 rxPI1.Un3 rxPI1.Un4 U2.2 U2.3 U2.4 U2.5 U2.6 U2.8 U2.22 U2.36

## Polygon pours and split planes (outlines as drawn)
GND on Sig2 "NONET_L01_P-001" (solid, remove dead copper, pour order 9): -110,1830 2130,1830 cw(c2130,1680) 2280,1680 2280,290 cw(c2130,290) 2130,140 -110,140 cw(c-110,290) -260,290 -260,1680 cw(c-110,1680)
1.2VDC on Sig2 "NONET_L01_P-001" (solid, remove dead copper, pour order 7): 1410,1390 1580,1220 1580,770 1410,600 900,600 662,838 662,1220 670,1220 840,1390
5VDC_BUS on Sig2 "NONET_L01_P-001" (solid, pour order 4): 800.04,1800 784.29,1784.25 784.29,1695.75 800.04,1680 863.03,1680 863.03,1680.31 894.53,1711.81 894.53,1785.47 880,1800
GND on Bottom Layer "NONET_L01_P-001" (solid, remove dead copper, pour order 0): -110,1830 2130,1830 cw(c2130,1680) 2280,1680 2280,290 cw(c2130,290) 2130,140 -110,140 cw(c-110,290) -260,290 -260,1680 cw(c-110,1680)